# Altium PCB MB1842.PcbDoc (part 2 of 2)
Units mm, origin at the board's own origin, x right, y up, seen from the top; angles counter-clockwise.
Board outline 64.57 x 35 mm, 4 copper layers (Top Layer, MidLayer 1, MidLayer 2, Bottom Layer), stack 1.066 mm thick; 81 components, 72 nets, 272 pads, 1151 vias.
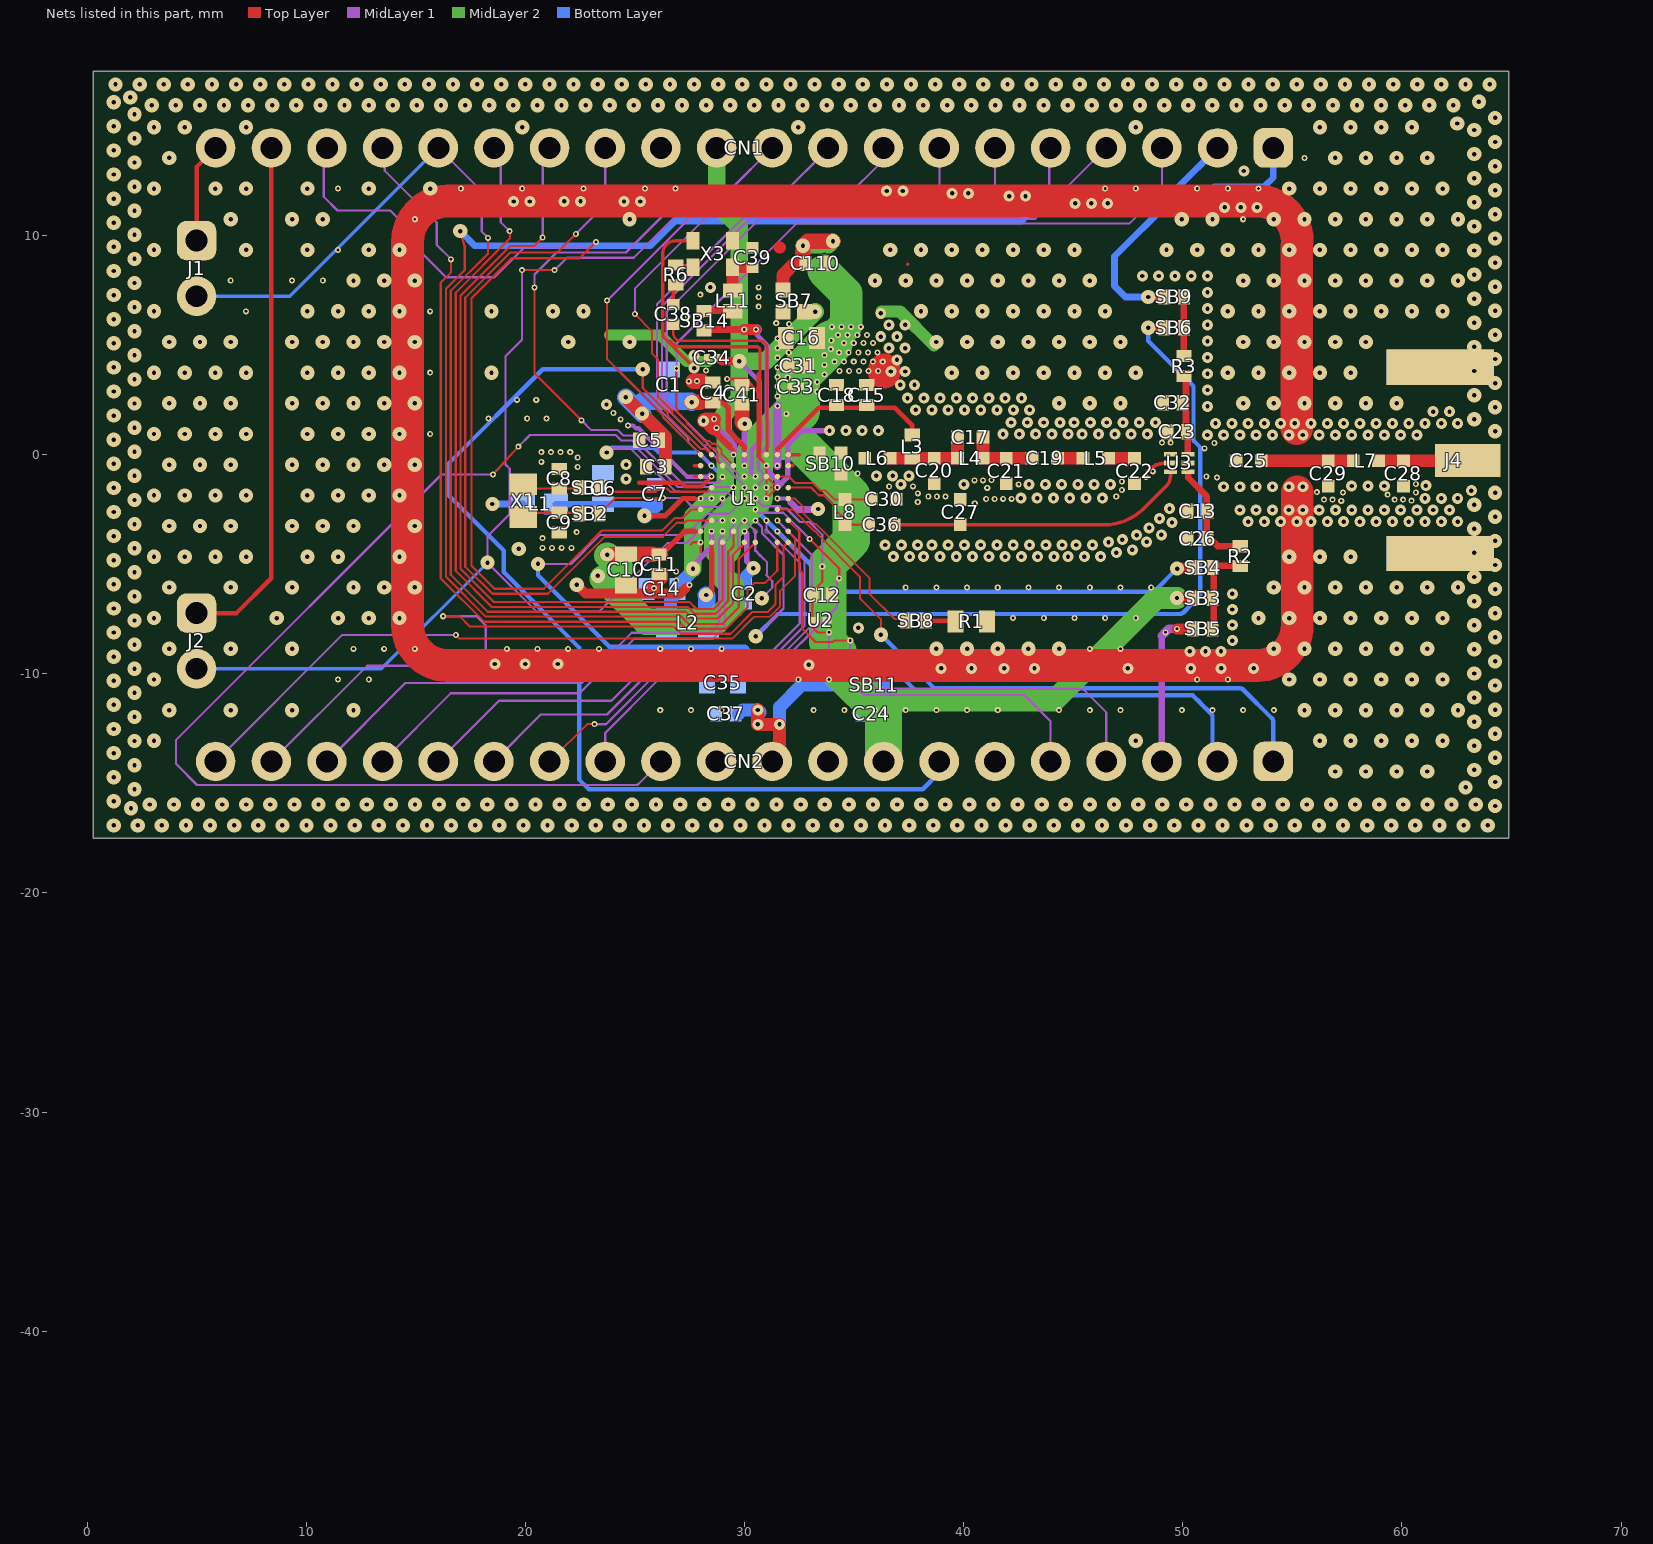
[diagram p4: the nets of this part, all layers, seen from the top]

## Via types
v1: diameter 0.65, hole 0.2, Top Layer to Bottom Layer, 646 vias
v2: diameter 0.275, hole 0.125, Top Layer to MidLayer 1, 261 vias
v3: diameter 0.5, hole 0.2, Top Layer to Bottom Layer, 244 vias

## Nets (pads, with @x,y where several pads share a name; then routed paths per layer and width w, separated by ;. In a path a pad name is that pad's centre, name@x,y a point inside that pad or via, vN(x,y) a via of type N, cw(c..) or ccw(c..) an arc to the next point about the centre after c; other vN are vias at no path point)
GND: C1.1 C2.1 C3.1 C4.1 C5.1 C6.2 C7.2 C8.2 C9.2 C10.2 C11.2 C12.2 C13.1 C14.2 C15.1 C16.2 C18.2 C20.2 C21.1 C22.1 C23.1 C24.2 C26.2 C27.1 C28.2 C29.2 C30.1 C31.2 C32.2 C33.1 C34.1 C35.2 C37.2 C39.1 C41.2 C110.2 CN1.12 CN2.6 CN2.9 CN2.11 J4.2 R1.1 U1.A1 U1.B7 U1.D9 U1.E3 U1.G5 U1.G6 U1.G7 U1.G8 U1.H6 U2.2 U3.2 X3.1 X3.2 | length 185.7
  Top Layer w0.1: 27.55,-4.1 27.65,-4 v2(28,-4) 28,-4.45 ; 28.26,-1.23 28.277,-1.23 ; 30.822,-0.285 31,-0.463 v2(31,-0.5) U1.G7@31,-1 ; U1.G7@31.008,-1 U1.G7@31,-1 ; v2(31,-1.5) v2(31,-2) v2(31.5,-1.5) ; v2(31,-1.5) v2(31.5,-1.5) ; v2(31,-1.5) U1.G7@31,-1 ; U1.G7@31,-1 v2(31.5,-1.5)
  Top Layer w0.15: 27.129,4.929 cw(c27.129,5.562) 26.626,5.177 ; v3@27.614,4.053 26.49,5.177 ; X3.2@27.649,9.76 26.867,9.76 ccw(c26.867,9.159) 26.533,9.658 ccw(c26.867,9.159) 26.368,9.493 ccw(c26.867,9.159) 26.266,9.159 26.266,5.536 ccw(c26.626,5.536) 26.321,5.346 26.435,5.232 ; 28.277,-1.23 28.5,-1.008 v2(28.5,-1) ; v2(29.214,3.454) 30.034,3.454 30.634,2.854 ; 30.529,4.929 cw(c30.529,4.748) 30.71,4.748 30.71,0.135 ccw(c31,0) 30.689,-0.075 cw(c30.634,-0.022) 30.634,-0.098 ; 30.634,3.698 30.634,2.854 ; 30.822,-0.285 30.634,-0.098 ; 37.446,8.695 37.448,8.697 ; 26.435,5.232 ccw(c26.626,5.536) 26.626,5.177 ; 26.435,5.232 26.49,5.177 ; 26.49,5.177 26.626,5.177 ; 30.634,-0.098 30.634,2.854
  Top Layer w0.16: 27.129,4.924 30.529,4.924 30.529,4.929
  Top Layer w0.17: 29.338,0.347 29.5,0.185 v2(29.5,0)
  Top Layer w0.18: 48.368,-0.759 cw(c49.284,-1.674) 49.284,-0.38 U3.2@49.448,-0.38
  Top Layer w0.2: 25.208,-1.275 27.12,-1.275 27.3,-1.455 28.035,-1.455 28.26,-1.23
  Top Layer w0.3: 28.753,0.932 29.338,0.347
  Top Layer w0.45: v1(22.349,-5.934) 22.749,-6.334 25.113,-6.334 27.072,-6.334 27.312,-6.094
  Top Layer w0.55: 31.606,9.448 31.613,9.454
  Top Layer w0.6: v2@25.865,-5.967 26.204,-5.628 C11.2@26.204,-5.452 ; v3@28.175,1.53 28.145,1.53 v3(28.132,1.544) 28.217,1.629 v2(28.621,1.629) 28.604,1.613 28.604,1.169 v3@28.212,1.561
  Top Layer w0.7: 27.67,3.355 27.708,3.355 v2(27.839,3.355) 28.058,3.355
  Top Layer w1.5: 36.377,3.769 36.377,3.865 ; 55.203,1.185 55.203,9.519 ; 55.225,-7.823 55.225,-1.707 ; 55.228,-7.775 cw(c53.378,-7.775) 53.378,-9.625 16.478,-9.625 cw(c16.478,-7.775) 14.628,-7.775 14.628,9.725 cw(c16.478,9.725) 16.478,11.575 53.378,11.575 cw(c53.378,9.725) 55.228,9.725
  MidLayer 1 w0.1: 29.5,-5.45 29.375,-5.325 29.375,-4.675 29.708,-4.342 29.708,-3.292 v2(30,-3) 30.442,-3.442 ; 30.718,-4.6 30.85,-4.733 31.034,-4.916 31.034,-5.434 30.982,-5.486 31.272,-5.776 31.272,-6.066 v1(30.788,-6.55)
  MidLayer 1 w0.12: 30.442,-3.442 30.5,-3.5 30.5,-4.382 30.718,-4.6
  MidLayer 1 w0.2: v2(24.691,1.329) 24.918,1.329 25.049,1.199 25.179,1.199 27.378,-1 v2(28.5,-1) v2@28.415,-0.915
  MidLayer 1 w0.25: v2(31,-0.5) 31,-0.631 31.109,-0.74 31.109,-0.796 31.5,-1.187 v2(31.5,-1.5) 31.974,-1.026 31.974,0.436 32.635,1.096 v3(33.881,1.096)
  MidLayer 1 w0.3: v2(28.73,1.223) 29.5,0.452 v2(29.5,0)
  MidLayer 2 w0.5: 23.838,5.458 26.144,5.458 27.358,4.244 28.362,4.244
  MidLayer 2 w0.55: v3@36.252,6.537 37.096,6.537 v1@38.64,4.993
  other v1: 1.215,-16.917 2.315,-16.917 3.415,-16.917 4.515,-16.917 5.615,-16.917 6.715,-16.917 7.815,-16.917 8.915,-16.917 10.015,-16.917 11.115,-16.917 12.215,-16.917 13.315,-16.917 14.415,-16.917 15.515,-16.917 16.615,-16.917 17.715,-16.917 18.815,-16.917 19.915,-16.917 21.015,-16.917 22.115,-16.917 23.215,-16.917 24.315,-16.917 25.415,-16.917 26.515,-16.917 27.615,-16.917 28.715,-16.917 29.815,-16.917 30.915,-16.917 32.015,-16.917 33.115,-16.917 34.215,-16.917 35.315,-16.917 36.415,-16.917 37.515,-16.917 38.615,-16.917 39.715,-16.917 40.815,-16.917 41.915,-16.917 43.015,-16.917 44.115,-16.917 45.215,-16.917 46.315,-16.917 47.415,-16.917 48.515,-16.917 49.615,-16.917 50.715,-16.917 51.815,-16.917 52.915,-16.917 54.015,-16.917 55.115,-16.917 56.215,-16.917 57.315,-16.917 58.415,-16.917 59.515,-16.917 60.615,-16.917 61.715,-16.917 62.815,-16.917 63.915,-16.917 2.005,-16.137 64.253,-16.034 2.865,-15.964 3.965,-15.964 5.065,-15.964 6.165,-15.964 7.265,-15.964 8.365,-15.964 9.465,-15.964 10.565,-15.964 11.665,-15.964 12.765,-15.964 13.865,-15.964 14.965,-15.964 16.065,-15.964 17.165,-15.964 18.265,-15.964 19.365,-15.964 20.465,-15.964 21.565,-15.964 22.665,-15.964 23.765,-15.964 24.865,-15.964 25.965,-15.964 27.065,-15.964 28.165,-15.964 29.265,-15.964 30.365,-15.964 31.465,-15.964 32.565,-15.964 33.665,-15.964 34.765,-15.964 35.865,-15.964 36.965,-15.964 38.065,-15.964 39.165,-15.964 40.265,-15.964 41.365,-15.964 42.465,-15.964 43.565,-15.964 44.665,-15.964 45.765,-15.964 46.865,-15.964 47.965,-15.964 49.065,-15.964 50.165,-15.964 51.265,-15.964 52.365,-15.964 53.465,-15.964 54.565,-15.964 55.665,-15.964 56.765,-15.964 57.865,-15.964 58.965,-15.964 60.065,-15.964 61.165,-15.964 62.265,-15.964 63.365,-15.964 1.215,-15.817 2.168,-15.267 62.908,-15.185 64.253,-14.934 1.215,-14.717 56.958,-14.458 58.358,-14.458 59.758,-14.458 61.158,-14.458 63.3,-14.384 2.168,-14.167 64.253,-13.834 1.215,-13.617 63.3,-13.284 2.168,-13.067 3.058,-13.058 47.858,-13.058 56.258,-13.058 57.658,-13.058 59.058,-13.058 60.458,-13.058 61.858,-13.058 64.253,-12.734 1.215,-12.517 63.3,-12.184 2.168,-11.967 3.758,-11.658 6.558,-11.658 9.358,-11.658 12.158,-11.658 55.558,-11.658 56.958,-11.658 58.358,-11.658 59.758,-11.658 61.158,-11.658 62.558,-11.658 64.253,-11.634 1.215,-11.417 63.3,-11.084 2.168,-10.867 64.253,-10.534 1.215,-10.317 3.058,-10.258 54.858,-10.258 56.258,-10.258 57.658,-10.258 59.058,-10.258 60.458,-10.258 61.858,-10.258 63.3,-9.984 2.168,-9.767 64.253,-9.434 1.215,-9.217 63.3,-8.884 3.758,-8.858 6.558,-8.858 9.358,-8.858 38.758,-8.858 40.158,-8.858 41.558,-8.858 42.958,-8.858 44.358,-8.858 54.158,-8.858 55.558,-8.858 56.958,-8.858 58.358,-8.858 59.758,-8.858 61.158,-8.858 2.168,-8.667 64.253,-8.334 1.215,-8.117 63.3,-7.784 2.168,-7.567 3.058,-7.458 8.658,-7.458 11.458,-7.458 12.858,-7.458 14.258,-7.458 53.458,-7.458 54.858,-7.458 56.258,-7.458 57.658,-7.458 59.058,-7.458 60.458,-7.458 61.858,-7.458 64.253,-7.234 1.215,-7.017 63.3,-6.684 2.168,-6.467 64.253,-6.134 3.758,-6.058 6.558,-6.058 9.358,-6.058 12.158,-6.058 13.558,-6.058 14.958,-6.058 54.158,-6.058 55.558,-6.058 56.958,-6.058 58.358,-6.058 59.758,-6.058 61.158,-6.058 62.558,-6.058 1.215,-5.917 63.3,-5.584 2.168,-5.367 64.253,-5.034 1.215,-4.817 3.058,-4.658 4.458,-4.658 5.858,-4.658 7.258,-4.658 10.058,-4.658 11.458,-4.658 14.258,-4.658 54.858,-4.658 56.258,-4.658 57.658,-4.658 63.3,-4.484 19.7,-4.3 2.168,-4.267 64.253,-3.934 1.215,-3.717 63.3,-3.384 3.758,-3.258 5.158,-3.258 6.558,-3.258 9.358,-3.258 10.758,-3.258 12.158,-3.258 14.958,-3.258 2.168,-3.167 64.253,-2.834 1.215,-2.617 63.3,-2.284 2.168,-2.067 3.058,-1.858 4.458,-1.858 5.858,-1.858 7.258,-1.858 10.058,-1.858 11.458,-1.858 12.858,-1.858 14.258,-1.858 64.253,-1.734 1.215,-1.517 2.168,-0.967 3.758,-0.458 5.158,-0.458 6.558,-0.458 9.358,-0.458 10.758,-0.458 12.158,-0.458 13.558,-0.458 14.958,-0.458 1.215,-0.417 2.168,0.133 1.215,0.683 3.058,0.942 4.458,0.942 5.858,0.942 7.258,0.942 10.058,0.942 11.458,0.942 12.858,0.942 14.258,0.942 64.253,1.066 2.168,1.233 63.3,1.616 1.215,1.783 64.253,2.166 2.168,2.333 3.758,2.342 5.158,2.342 6.558,2.342 9.358,2.342 10.758,2.342 12.158,2.342 13.558,2.342 14.958,2.342 44.358,2.342 45.758,2.342 47.158,2.342 52.758,2.342 54.158,2.342 55.558,2.342 56.958,2.342 58.358,2.342 59.758,2.342 63.3,2.716 1.215,2.883 64.253,3.266 2.168,3.433 3.058,3.742 4.458,3.742 5.858,3.742 7.258,3.742 10.058,3.742 11.458,3.742 12.858,3.742 14.258,3.742 18.458,3.742 39.458,3.742 40.858,3.742 42.258,3.742 43.658,3.742 45.058,3.742 46.458,3.742 47.858,3.742 52.058,3.742 53.458,3.742 54.858,3.742 56.258,3.742 57.658,3.742 63.3,3.816 1.215,3.983 64.253,4.366 2.168,4.533 63.3,4.916 1.215,5.083 3.758,5.142 5.158,5.142 6.558,5.142 9.358,5.142 10.758,5.142 12.158,5.142 13.558,5.142 14.958,5.142 21.958,5.142 24.758,5.142 38.758,5.142 40.158,5.142 41.558,5.142 42.958,5.142 44.358,5.142 45.758,5.142 47.158,5.142 52.758,5.142 54.158,5.142 55.558,5.142 56.958,5.142 58.358,5.142 64.253,5.466 2.168,5.633 63.3,6.016 1.215,6.183 3.058,6.542 10.058,6.542 11.458,6.542 12.858,6.542 14.258,6.542 18.458,6.542 21.258,6.542 22.658,6.542 38.058,6.542 39.458,6.542 40.858,6.542 42.258,6.542 43.658,6.542 45.058,6.542 46.458,6.542 52.058,6.542 53.458,6.542 54.858,6.542 56.258,6.542 57.658,6.542 59.058,6.542 60.458,6.542 61.858,6.542 64.253,6.566 2.168,6.733 63.3,7.116 1.215,7.283 64.253,7.666 2.168,7.833 12.158,7.942 13.558,7.942 14.958,7.942 35.958,7.942 37.358,7.942 38.758,7.942 40.158,7.942 41.558,7.942 42.958,7.942 44.358,7.942 45.758,7.942 52.758,7.942 54.158,7.942 55.558,7.942 56.958,7.942 58.358,7.942 59.758,7.942 61.158,7.942 62.558,7.942 63.3,8.216 1.215,8.383 64.253,8.766 2.168,8.933 63.3,9.316 3.058,9.342 7.258,9.342 10.058,9.342 12.858,9.342 14.258,9.342 36.658,9.342 38.058,9.342 39.458,9.342 40.858,9.342 42.258,9.342 43.658,9.342 45.058,9.342 49.258,9.342 50.658,9.342 52.058,9.342 53.458,9.342 54.858,9.342 56.258,9.342 57.658,9.342 59.058,9.342 60.458,9.342 61.858,9.342 1.215,9.483 64.253,9.866 2.168,10.033 63.3,10.416 1.215,10.583 6.558,10.742 9.358,10.742 10.758,10.742 24.758,10.742 49.958,10.742 51.358,10.742 54.158,10.742 55.558,10.742 56.958,10.742 58.358,10.742 59.758,10.742 61.158,10.742 62.558,10.742 64.253,10.966 2.168,11.133 63.3,11.516 1.215,11.683 64.253,12.066 3.058,12.142 5.858,12.142 7.258,12.142 10.058,12.142 12.858,12.142 15.658,12.142 54.858,12.142 56.258,12.142 57.658,12.142 59.058,12.142 60.458,12.142 61.858,12.142 2.168,12.233 63.3,12.616 1.215,12.783 64.253,13.166 2.168,13.333 3.758,13.542 56.958,13.542 58.358,13.542 59.758,13.542 61.158,13.542 63.3,13.716 1.215,13.883 64.253,14.266 2.168,14.433 63.3,14.816 3.058,14.942 4.458,14.942 7.258,14.942 19.858,14.942 32.458,14.942 47.858,14.942 56.258,14.942 57.658,14.942 59.058,14.942 60.458,14.942 1.215,14.983 62.526,15.112 64.253,15.366 2.168,15.533 2.952,15.942 4.052,15.942 5.152,15.942 6.252,15.942 7.352,15.942 8.452,15.942 9.552,15.942 10.652,15.942 11.752,15.942 12.852,15.942 13.952,15.942 15.052,15.942 16.152,15.942 17.252,15.942 18.352,15.942 19.452,15.942 20.552,15.942 21.652,15.942 22.752,15.942 23.852,15.942 24.952,15.942 26.052,15.942 27.152,15.942 28.252,15.942 29.352,15.942 30.452,15.942 31.552,15.942 32.652,15.942 33.752,15.942 34.852,15.942 35.952,15.942 37.052,15.942 38.152,15.942 39.252,15.942 40.352,15.942 41.452,15.942 42.552,15.942 43.652,15.942 44.752,15.942 45.852,15.942 46.952,15.942 48.052,15.942 49.152,15.942 50.252,15.942 51.352,15.942 52.452,15.942 53.552,15.942 54.652,15.942 55.752,15.942 56.852,15.942 57.952,15.942 59.052,15.942 60.152,15.942 61.252,15.942 62.352,15.942 1.215,16.083 63.513,16.099 1.97,16.301 1.302,16.895 2.402,16.895 3.502,16.895 4.602,16.895 5.702,16.895 6.802,16.895 7.902,16.895 9.002,16.895 10.102,16.895 11.202,16.895 12.302,16.895 13.402,16.895 14.502,16.895 15.602,16.895 16.702,16.895 17.802,16.895 18.902,16.895 20.002,16.895 21.102,16.895 22.202,16.895 23.302,16.895 24.402,16.895 25.502,16.895 26.602,16.895 27.702,16.895 28.802,16.895 29.902,16.895 31.002,16.895 32.102,16.895 33.202,16.895 34.302,16.895 35.402,16.895 36.502,16.895 37.602,16.895 38.702,16.895 39.802,16.895 40.902,16.895 42.002,16.895 43.102,16.895 44.202,16.895 45.302,16.895 46.402,16.895 47.502,16.895 48.602,16.895 49.702,16.895 50.802,16.895 51.902,16.895 53.002,16.895 54.102,16.895 55.202,16.895 56.302,16.895 57.402,16.895 58.502,16.895 59.602,16.895 60.702,16.895 61.802,16.895 62.902,16.895 64.002,16.895
  other v2: 26.158,-11.658 27.558,-11.658 28.958,-11.658 33.158,-11.658 34.558,-11.658 35.958,-11.658 37.358,-11.658 38.758,-11.658 40.158,-11.658 41.558,-11.658 44.358,-11.658 45.758,-11.658 47.158,-11.658 49.958,-11.658 51.358,-11.658 52.758,-11.658 54.158,-11.658 11.458,-10.258 12.858,-10.258 32.458,-10.258 33.858,-10.258 50.658,-10.258 52.058,-10.258 12.158,-8.858 13.558,-8.858 14.958,-8.858 19.158,-8.858 20.558,-8.858 21.958,-8.858 23.358,-8.858 26.158,-8.858 27.558,-8.858 28.958,-8.858 45.758,-8.858 47.158,-8.858 42.258,-7.458 43.658,-7.458 45.058,-7.458 46.458,-7.458 47.858,-7.458 25.868,-6.09 37.358,-6.058 38.758,-6.058 40.158,-6.058 41.558,-6.058 42.958,-6.058 44.358,-6.058 45.758,-6.058 47.158,-6.058 48.558,-6.058 27.495,-5.952 26.885,-5.738 26.885,-5.33 20.78,-4.252 21.221,-4.252 21.662,-4.252 22.103,-4.252 20.78,-3.811 22.343,-3.539 40.509,-2.219 37.908,-2.157 57.233,-2.109 60.44,-2.101 56.449,-2.054 56.838,-2.056 59.669,-2.053 60.058,-2.055 41.029,-2.019 41.418,-2.018 41.807,-2.016 42.196,-2.015 38.391,-1.909 38.78,-1.911 39.169,-1.912 46.965,-1.913 59.352,-1.829 37.91,-1.765 56.119,-1.713 57.314,-1.729 60.634,-1.728 47.218,-1.615 41.08,-1.511 36.606,-1.454 37.686,-1.444 42.514,-1.351 60.636,-1.339 47.22,-1.223 40.497,-1.17 40.886,-1.168 41.275,-1.167 51.56,-1.047 48.334,-1.012 51.077,-0.998 35.167,-0.859 48.635,-0.762 22.388,-0.568 20.728,-0.326 22.388,-0.127 20.728,0.115 21.169,0.115 21.61,0.115 22.051,0.115 50.998,0.289 49.05,0.549 49.449,0.549 51.441,0.533 15.658,0.942 24.353,1.613 18.322,1.648 20.086,1.648 20.967,1.648 24.015,1.896 19.617,2.501 20.499,2.501 33.317,2.874 29.224,3.075 33.317,3.315 27.459,3.346 33.655,3.66 15.658,3.742 34.34,3.814 34.781,3.814 35.222,3.814 35.663,3.814 36.103,3.814 28.244,3.84 33.655,4.101 34.106,4.241 34.547,4.241 34.988,4.241 35.429,4.241 35.869,4.241 36.31,4.241 33.655,4.542 34.313,4.667 34.754,4.667 35.194,4.667 35.635,4.667 36.076,4.667 33.942,4.813 34.547,5.093 34.988,5.093 35.428,5.093 35.869,5.093 33.966,5.21 34.266,5.464 34.707,5.464 35.148,5.464 35.589,5.464 33.986,5.835 34.426,5.835 34.867,5.835 35.308,5.835 27.418,6.313 7.258,6.542 15.658,6.542 30.649,6.755 30.649,7.196 27.987,7.3 30.649,7.637 6.558,7.942 9.358,7.942 10.758,7.942 11.458,9.342 14.958,10.742 52.758,10.742 11.458,12.142 17.058,12.142 19.858,12.142 22.658,12.142 25.458,12.142 26.858,12.142 46.458,12.142 47.858,12.142 50.658,12.142 52.058,12.142 53.458,12.142 55.558,13.542
  other v3: 38.976,-9.752 40.363,-9.752 41.849,-9.752 43.235,-9.752 47.494,-9.752 50.366,-9.752 51.753,-9.752 53.239,-9.752 32.938,-9.592 18.609,-9.554 19.996,-9.554 21.482,-9.554 50.327,-8.977 51.037,-8.977 51.747,-8.977 52.265,-8.484 35.2,-7.9 52.265,-7.774 52.265,-7.064 52.265,-6.354 36.792,-4.654 37.535,-4.654 38.178,-4.654 38.922,-4.654 39.665,-4.654 40.408,-4.654 41.151,-4.654 41.894,-4.654 42.637,-4.654 43.38,-4.654 44.123,-4.654 44.767,-4.654 45.51,-4.654 46.253,-4.654 46.973,-4.469 47.705,-4.34 36.42,-4.122 37.163,-4.122 37.907,-4.122 38.55,-4.122 39.293,-4.122 40.036,-4.122 40.779,-4.122 41.522,-4.122 42.265,-4.122 43.008,-4.122 43.752,-4.122 44.495,-4.122 45.138,-4.122 45.881,-4.122 46.613,-3.993 48.352,-3.976 47.246,-3.882 47.896,-3.671 49.026,-3.662 48.464,-3.337 49.51,-3.098 52.982,-3.058 53.725,-3.058 54.468,-3.058 55.211,-3.058 55.854,-3.058 56.597,-3.058 57.34,-3.058 58.083,-3.058 58.827,-3.058 59.57,-3.058 60.313,-3.058 61.056,-3.058 61.799,-3.058 62.542,-3.058 48.942,-2.914 52.61,-2.527 53.353,-2.527 54.096,-2.527 54.839,-2.527 55.482,-2.527 56.225,-2.527 56.968,-2.527 57.712,-2.527 58.455,-2.527 59.198,-2.527 59.941,-2.527 60.684,-2.527 61.427,-2.527 62.17,-2.527 49.397,-2.46 42.614,-1.988 43.357,-1.988 44.1,-1.988 44.844,-1.988 45.587,-1.988 46.33,-1.988 61.055,-1.995 61.798,-1.995 62.541,-1.995 63.17,-1.64 51.866,-1.464 52.609,-1.464 53.352,-1.464 54.095,-1.464 54.838,-1.464 55.481,-1.464 57.71,-1.429 58.453,-1.429 59.197,-1.429 61.09,-1.411 37.14,-1.356 40.013,-1.356 42.985,-1.356 43.729,-1.356 44.472,-1.356 45.215,-1.356 45.958,-1.356 46.701,-1.356 24.598,-1.104 36.019,-0.967 36.762,-0.967 37.505,-0.967 24.598,-0.458 51.123,0.898 51.866,0.898 52.609,0.898 53.352,0.898 54.095,0.898 54.838,0.898 55.481,0.898 56.225,0.898 56.968,0.898 57.711,0.898 58.454,0.898 59.197,0.898 59.94,0.898 60.683,0.898 41.798,0.938 42.541,0.938 43.284,0.938 44.027,0.938 44.77,0.938 45.413,0.938 46.156,0.938 46.899,0.938 47.643,0.938 48.386,0.938 34.624,1.096 35.367,1.096 36.11,1.096 51.495,1.43 52.238,1.43 52.981,1.43 53.724,1.43 54.467,1.43 55.11,1.43 55.853,1.43 56.596,1.43 57.34,1.43 58.083,1.43 58.826,1.43 59.569,1.43 60.312,1.43 61.055,1.43 61.798,1.43 62.541,1.43 42.169,1.469 42.913,1.469 43.656,1.469 44.399,1.469 45.042,1.469 45.785,1.469 46.528,1.469 47.271,1.469 48.014,1.469 48.758,1.469 61.427,1.961 62.17,1.961 37.812,2.046 38.555,2.046 39.297,2.046 40.04,2.046 40.784,2.046 41.527,2.046 42.27,2.046 43.013,2.046 51.132,2.205 23.706,2.287 37.441,2.577 38.184,2.577 38.927,2.577 39.669,2.577 40.412,2.577 41.155,2.577 41.898,2.577 42.641,2.577 51.132,2.948 37.109,3.185 37.758,3.186 51.132,3.692 36.683,3.794 37.332,3.794 27.708,3.949 36.961,4.326 51.132,4.435 27.708,4.532 36.59,4.857 37.333,4.857 51.132,5.178 36.219,5.389 36.962,5.389 36.591,5.92 37.334,5.92 51.132,5.921 36.219,6.452 51.132,6.664 51.132,7.407 28.441,7.636 48.16,8.15 48.903,8.15 49.646,8.15 50.389,8.15 51.132,8.15 51.912,11.286 52.655,11.286 53.399,11.286 45.088,11.465 45.832,11.465 46.575,11.465 19.467,11.55 20.21,11.55 24.503,11.554 25.246,11.554 21.776,11.558 22.519,11.558 42.082,11.793 42.825,11.793 39.477,11.926 40.22,11.926 36.488,12.029 37.231,12.029 52.785,12.942
NetC6_1: C6.1 C7.1 L1.2 U1.A5 U1.B5 | length 8.2
  Top Layer w0.15: 27.7,-2 v2(28,-2)
  Top Layer w0.25: v1@25.623,-2.796 26.378,-2.796 27.174,-2 27.7,-2
  MidLayer 1 w0.1: v2(28,-2) v2(28.5,-2)
  Bottom Layer w0.25: C6.1@23.45,-2.462 C6.1@23.462,-2.45
  Bottom Layer w0.3: L1.2@21.4,-2.262 C6.1@23.55,-2.262 ; C6.1@23.678,-2.266 23.688,-2.256 C7.1@25.89,-2.256
  Bottom Layer w0.7: v1(25.441,-2.788) C7.1@25.9,-2.33
NetC8_1: C8.1 SB1.2 X1.2 | length 2.8
  Top Layer w0.1: X1.2@19.9,-1.75 X1.2@19.95,-1.8 ; X1.2@19.9,-1.35 20.1,-1.55 C8.1@21.55,-1.55 22.431,-1.55 SB1.2@22.481,-1.5
NetC9_1: C9.1 SB2.2 X1.1 | length 3
  Top Layer w0.1: X1.1@19.9,-3.25 X1.1@20.15,-3 ; X1.1@19.9,-2.85 20.1,-2.65 C9.1@21.55,-2.65 22.431,-2.65 SB2.2@22.481,-2.7
NetC12_1: C12.1 CN2.5 U1.F5 U2.1 | length 23.3
  Top Layer w0.1: U2.1@33.1,-7.513 C12.1@33.1,-6.407 33.1,-6.251 33.55,-5.801 v2(33.55,-5.1) ; U2.1@33.144,-7.557 33.144,-7.92 33.331,-8.108 v2(33.853,-8.108)
  MidLayer 1 w0.1: v2(30.5,-2) 30.85,-2.35 31.612,-2.35 31.722,-2.46 31.923,-2.46 32.537,-3.074 32.969,-3.074 33.55,-3.655 v2(33.55,-5.1) ; v2(33.853,-8.108) 33.853,-9.338 35.481,-10.966 42.767,-10.966 43.97,-12.169 CN2.5@43.97,-14
NetC13_2: C13.2 C26.1 R2.1 U3.4 | length 5.3
  Top Layer w0.15: U3.4@50.231,-0.797 U3.4@50.248,-0.78
  Top Layer w0.3: 50.248,-0.892 50.248,-1.056 51.103,-1.912 51.103,-3.675 51.606,-4.178 R2.1@52.543,-4.178 ; R2.1@52.418,-4.156 ccw(c52.618,-3.278) R2.1@52.539,-4.175 ; R2.1@52.418,-4.053 R2.1@52.539,-4.175 ; R2.1@52.539,-4.175 ccw(c52.618,-3.278) R2.1@52.618,-4.178 R2.1@52.543,-4.178 ; R2.1@52.539,-4.175 R2.1@52.543,-4.178
NetC15_2: C15.2 C18.1 L3.2 U1.H9 | length 8
  Top Layer w0.15: U1.H9@31.5,0 31.5,0.248
  Top Layer w0.2: 31.5,0.248 33.394,2.142 33.47,2.142 C18.1@34.204,2.142 ; C18.1@34.204,2.144 36.854,2.144 37.66,1.338 L3.2@37.66,0.897
NetC17_1: C17.1 C20.1 L3.1 L4.1 L6.1 | length 3.8
  Top Layer w0.582: L6.1@36.645,-0.163 L3.1@37.66,-0.163 C20.1@38.658,-0.163 39.519,-0.163 L4.1@39.52,-0.164 ; L4.1@39.72,-0.164 C17.1@39.72,0.801
NetC17_2: C17.2 C19.2 C21.2 L4.2 | length 3
  Top Layer w0.582: C17.2@40.88,0.801 L4.2@40.88,-0.164 41.548,-0.164 41.551,-0.167 C21.2@41.951,-0.167 42.924,-0.167 C19.2@42.927,-0.164
NetC19_1: C19.1 L5.1 | length 1
  Top Layer w0.582: C19.1@44.287,-0.164 L5.1@45.251,-0.164
NetC22_2: C22.2 L5.2 U3.1 | length 1.2
  Top Layer w0.582: L5.2@46.611,-0.167 C22.2@47.8,-0.167
NetC23_2: C23.2 C32.1 R3.1 U3.6 | length 3.4
  Top Layer w0.3: R3.1@50.056,3.594 50.144,3.506 50.144,3.161 50.147,3.157 C23.2@50.147,1.044 ; C23.2@50.198,1.044 C23.2@50.221,1.02 ; U3.6@50.225,0.082 C23.2@50.225,0.834
NetC25_1: C25.1 U3.5
NetC25_2: C25.2 C29.1 L7.1 | length 4.2
  Top Layer w0.582: C25.2@53.586,-0.283 56.744,-0.283 L7.1@57.777,-0.283
NetC27_2: C27.2 C36.2 U3.3 | length 13.7
  Top Layer w0.161: C36.2@36.83,-3.2 36.832,-3.202 C27.2@39.849,-3.202 46.42,-3.202 ccw(c46.42,-0.662) 48.216,-2.458 49.256,-1.417 ccw(c48.794,-0.955) 49.448,-0.955 U3.3@49.448,-0.78
NetC28_1: C28.1 J4.1 L7.2 | length 2.8
  Top Layer w0.582: L7.2@58.937,-0.283 59.969,-0.283 61.749,-0.283 J4.1@61.77,-0.261
NetC38_1: C38.1 R6.2 | length 1
  Top Layer w0.15: C38.1@26.751,6.849 26.751,7.754 R6.2@26.866,7.754
NetC39_2: C39.2 L11.1 X3.4 | length 2
  Top Layer w0.5: X3.4@29.449,8.56 29.456,8.553 29.462,8.546 30.364,8.546 C39.2@30.369,8.541
  Top Layer w0.55: X3.4@29.456,8.553 29.456,7.501 L11.1@29.463,7.494
NetCN1_1: CN1.1 SB9.1 | length 13.9
  Top Layer w0.3: v1(48.427,7.195) SB9.1@49.15,7.195
  Bottom Layer w0.3: v1(48.427,7.195) 47.389,7.195 46.887,7.697 46.887,9.052 49.37,11.535 50.77,11.535 51.467,12.232 53.722,12.232 54.13,12.64 CN1.1@54.13,14
NetCN1_2: CN1.2 U1.F1 | length 70.7
  Top Layer w0.1: v1(17.028,10.201) 17.234,9.492 17.234,8.424 16.382,7.571 16.382,-5.574 18.197,-7.389 27.125,-7.389 27.463,-7.728 28.991,-7.728 29.743,-6.976 29.743,-4.757 U1.F1@30.5,-4